# Altium PCB Sensors_Power_Characterisation_Board.PcbDoc (part 2 of 2)
Units mm, origin at the board's own origin, x right, y up, seen from the top; angles counter-clockwise.
Board outline 50 x 50 mm, 4 copper layers (Top Layer, Int1 (GND), Int2 (PWR), Bottom Layer), stack 1.334 mm thick; 147 components, 78 nets, 489 pads, 332 vias.
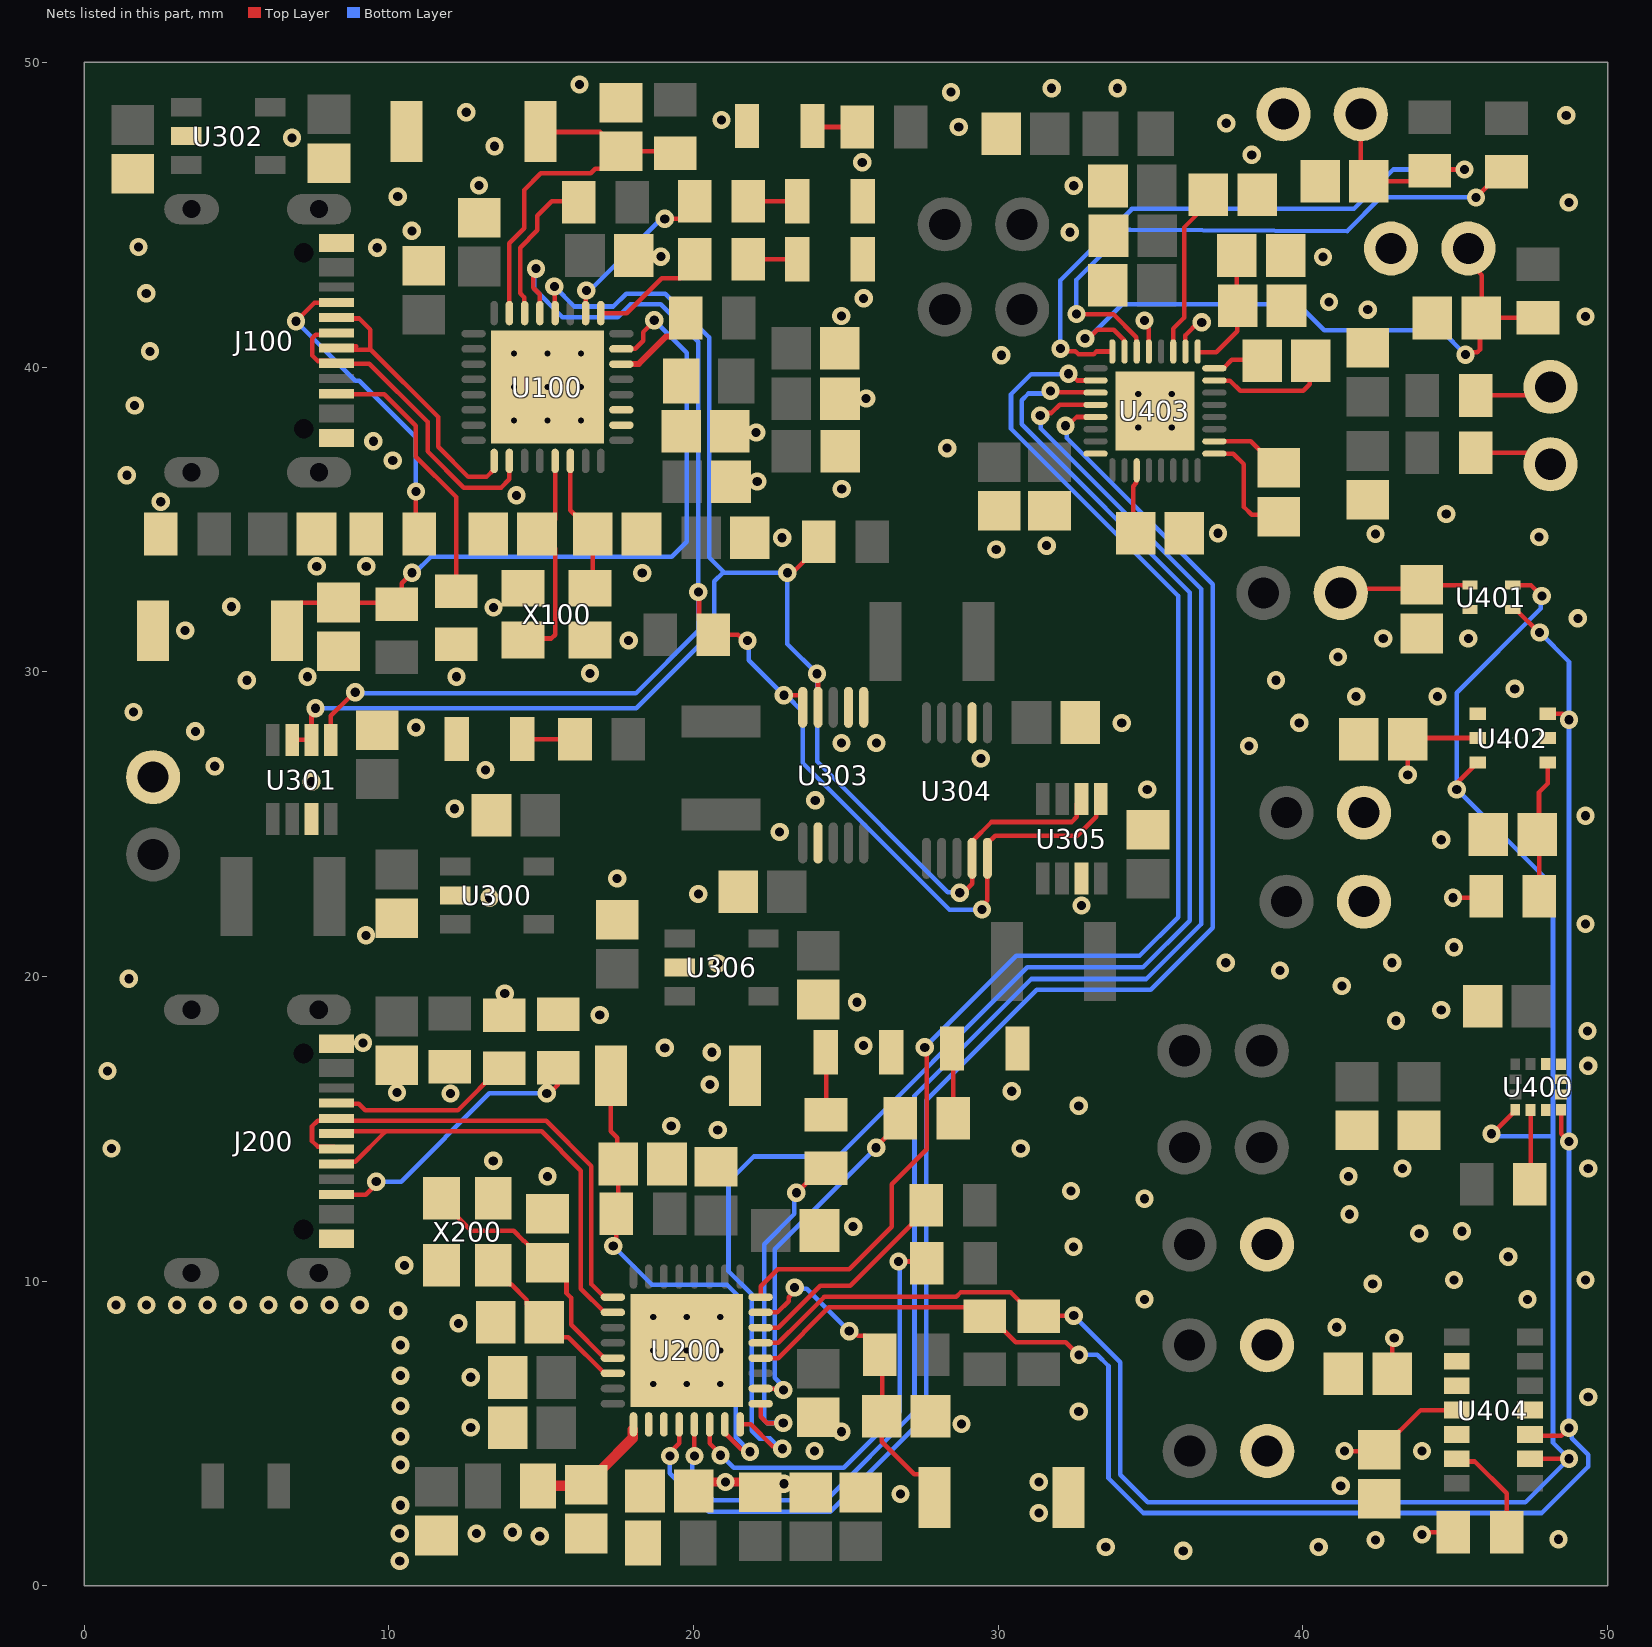
[diagram p4: the nets of this part, all layers, seen from the top]

## Via types
v1: diameter 0.6, hole 0.3, Top Layer to Bottom Layer, tented both sides, 310 vias
v2: diameter 0.5, hole 0.2, Top Layer to Bottom Layer, tented both sides, 22 vias

## Nets (pads, with @x,y where several pads share a name; then routed paths per layer and width w, separated by ;. In a path a pad name is that pad's centre, name@x,y a point inside that pad or via, vN(x,y) a via of type N, cw(c..) or ccw(c..) an arc to the next point about the centre after c; other vN are vias at no path point) (continued)
ECG_CS: U200.16 U403.18 | length 44.6
  Top Layer w0.15: U200.16@22.199,9.47 22.199,9.823 22.764,10.387 25.108,10.387 26.505,11.784 26.505,13.181 27.648,14.324 27.648,17.606 v1(27.584,17.67) ; v1(32.3,39.781) 32.373,39.781 32.596,39.558 U403.18@33.217,39.558
  Bottom Layer w0.15: v1(27.584,17.67) 30.589,20.674 34.633,20.674 35.903,21.944 35.903,32.485 30.415,37.973 30.415,39.103 31.074,39.762 32.281,39.762 v1(32.3,39.781)
ECG_DIN: U200.8 U403.19 | length 52.1
  Top Layer w0.15: U200.8@21.524,5.295 21.87,5.295 22.587,4.578 22.826,4.578 v1(22.912,4.492) ; v1(31.712,39.216) 31.761,39.168 33.208,39.168 U403.19@33.217,39.158
  Bottom Layer w0.15: v1(22.912,4.492) 22.849,4.492 22.509,4.832 22.156,4.832 21.902,5.085 21.902,9.565 21.144,10.323 21.144,13.262 21.97,14.087 24.744,14.087 30.95,20.293 34.747,20.293 36.284,21.83 36.284,32.599 30.765,38.118 30.765,38.904 30.991,39.13 31.15,39.13 31.626,39.13 v1(31.712,39.216)
ECG_DOUT: U200.4 U403.21 | length 53.7
  Top Layer w0.15: v1(19.22,4.253) 19.22,4.367 19.524,4.67 U200.4@19.524,5.295 ; v1(32.202,38.072) 32.281,38.072 32.567,38.358 U403.21@33.217,38.358
  Bottom Layer w0.15: v1(19.22,4.253) 19.22,3.693 20.493,2.421 24.482,2.421 27.637,5.576 27.637,15.935 31.264,19.562 35.006,19.562 37.041,21.597 37.041,32.872 32.243,37.67 32.243,38.031 v1(32.202,38.072)
ECG_SCLK: U200.5 U403.20 | length 53.6
  Top Layer w0.15: U200.5@20.024,5.295 20.025,5.294 v1(20.026,4.256) v1(20.026,4.256) ; v1(31.375,38.404) 31.461,38.49 31.742,38.49 32.011,38.758 U403.20@33.217,38.758
  Bottom Layer w0.15: v1(20.026,4.256) 19.951,4.181 19.951,3.5 20.65,2.8 24.347,2.8 27.249,5.703 27.249,16.084 31.077,19.912 34.861,19.912 36.665,21.716 36.665,32.713 31.396,37.982 31.396,38.382 v1(31.375,38.404)
GND: C100.2 C101.1 C102.2 C103.1 C104.1 C105.1 C106.2 C107.1 C108.1 C109.1 C110.2 C111.1 C112.1 C113.2 C200.2 C201.1 C202.2 C203.1 C204.1 C205.1 C206.1 C207.1 C208.1 C209.1 C210.2 C211.1 C212.1 C213.1 C214.2 C215.2 C300.2 C301.1 C302.1 C303.1 C304.1 C305.1 C306.2 C307.2 C308.1 C309.1 C400.1 C401.1 C402.1 C403.1 C404.1 C405.1 C406.1 C407.1 C408.2 C409.1 C410.1 C411.2 C412.1 C413.1 C414.1 C416.1 C419.1 C420.1 C421.1 C422.1 C423.1 C424.1 J100.A1_B12 J100.A12_B1 J200.A1_B12 J200.A12_B1 J300.2 J411.1 J412.1 LED100.1 LED101.1 LED200.1 LED201.1 LED301.1 LED303.1 R104.2 R105.2 R109.1 R204.2 R205.2 R210.1 SW100.2 SW101.2 SW200.2 SW201.2 U100.33 U200.33 U300.2 U301.3 U302.2 U303.1 U303.2 U303.7 U304.7 U305.3 U306.2 U400.3 U400.5 U400.6 U400.7 U400.8 U401.4 U402.2 U402.4 U402.7 U403.10 U403.13 U403.24 U403.33 U404.4 U404.12 X100.2 X100.4 X200.2 X200.4 | length 5
  Top Layer w0.15: C204.1@11.603,1.646 C204.1@11.669,1.712 ; C209.1@13.884,5.191 C209.1@13.894,5.18 ; C211.1@13.884,6.842 C211.1@13.894,6.831 ; C203.1@16.353,1.658 C203.1@16.401,1.705 ; U303.7@24.082,24.38 U303.7@24.1,24.398 ; v1(34.797,41.53) 34.797,41.408 34.942,41.263 U403.13@34.942,40.483 ; U403.10@36.142,40.483 36.142,41.047 36.562,41.466 v1(36.677,41.466)
  Top Layer w0.3: C215.2@20.15,2.972 20.15,3.118 20.434,3.402 v1(21.044,3.402) 21.845,3.402 C210.2@22.181,3.066
  other v1: 10.352,0.81 36.068,1.143 33.528,1.27 40.513,1.27 42.38,1.497 48.387,1.524 14.948,1.624 10.352,1.71 12.874,1.712 14.059,1.751 31.331,2.386 10.376,2.64 26.793,3.009 41.237,3.275 22.961,3.345 31.331,3.402 10.38,3.966 23.965,4.418 43.904,4.418 10.376,4.894 24.854,5.053 12.684,5.191 28.791,5.307 32.639,5.715 10.376,5.894 49.365,6.196 12.684,6.842 10.376,6.894 10.376,7.894 41.11,8.482 12.281,8.609 10.301,9.022 1.044,9.214 2.044,9.214 3.044,9.214 4.044,9.214 5.044,9.214 6.044,9.214 7.044,9.214 8.044,9.214 9.044,9.214 34.798,9.398 47.371,9.398 42.291,9.906 44.958,10.033 49.276,10.033 10.503,10.514 46.736,10.795 32.464,11.121 43.815,11.557 45.218,11.634 25.235,11.784 41.529,12.192 34.798,12.7 32.385,12.954 15.202,13.435 41.491,13.435 43.269,13.689 49.365,13.689 13.424,13.943 0.889,14.351 30.734,14.351 20.79,14.959 19.266,15.086 32.639,15.748 12.016,16.157 10.263,16.187 30.442,16.229 20.532,16.452 0.762,16.891 49.361,17.061 20.598,17.508 19.05,17.653 25.577,17.725 9.145,17.816 49.336,18.204 43.053,18.542 16.916,18.732 44.539,18.896 25.362,19.15 13.799,19.435 41.275,19.685 1.463,19.921 39.243,20.193 20.79,20.42 37.465,20.447 42.926,20.447 44.958,20.955 9.245,21.345 49.276,21.717 32.728,22.325 13.297,22.579 20.155,22.706 17.488,23.214 44.539,24.484 22.822,24.738 49.276,25.273 12.154,25.5 23.991,25.776 34.887,26.135 7.455,26.389 13.17,26.77 4.28,26.897 29.426,27.151 38.227,27.559 24.854,27.659 25.997,27.659 3.645,28.04 10.884,28.167 34.049,28.319 39.878,28.321 1.613,28.675 41.745,29.183 44.412,29.183 46.952,29.437 5.334,29.718 39.116,29.718 7.329,29.831 12.216,29.831 16.599,29.945 41.148,30.48 17.867,31.027 42.634,31.088 45.428,31.088 3.309,31.349 49.022,31.75 13.428,32.109 4.826,32.131 18.314,33.239 7.627,33.456 9.254,33.456 29.934,34.009 31.585,34.136 22.905,34.397 47.752,34.417 42.38,34.517 37.211,34.544 44.704,35.179 2.509,35.578 14.186,35.787 24.861,35.996 22.087,36.243 1.397,36.449 10.122,36.93 28.321,37.338 9.487,37.565 22.051,37.852 1.651,38.735 25.661,38.969 30.099,40.386 2.159,40.513 49.276,41.656 24.847,41.674 42.126,41.883 40.856,42.137 25.578,42.253 2.032,42.418 40.66,43.613 18.924,43.623 9.614,43.915 1.778,43.942 32.347,44.423 10.75,44.468 48.726,45.4 10.287,45.593 32.474,45.947 12.958,45.96 25.532,46.718 38.316,46.963 13.462,47.244 6.817,47.522 28.702,47.879 37.48,47.999 20.917,48.106 48.641,48.26 12.535,48.36 28.448,49.022 31.75,49.149 33.909,49.149 16.256,49.276
  other v2: 18.674,6.62 19.774,6.62 20.874,6.62 18.674,7.72 19.774,7.72 20.874,7.72 18.674,8.82 19.774,8.82 20.874,8.82 34.592,38.008 35.692,38.008 14.102,38.243 15.202,38.243 16.302,38.243 34.592,39.108 35.692,39.108 14.102,39.343 15.202,39.343 16.302,39.343 14.102,40.443 15.202,40.443 16.302,40.443
HT_3.3V: C402.2 J404.1 U401.3 | length 4.4
  Top Layer w0.15: J404.1@41.24,32.584 41.377,32.721 43.765,32.721 C402.2@43.897,32.853 43.908,32.842 U401.3@45.485,32.842
I2C_SCL: R203.2 U200.13 U400.1 U401.2 U402.6 U404.2 | length 70.6
  Top Layer w0.15: U200.13@22.199,7.97 22.776,7.97 23.523,8.718 24.247,9.442 24.29,9.484 28.62,9.484 28.76,9.624 30.406,9.624 31.181,8.849 R203.2@31.331,8.849 31.345,8.863 v1(32.474,8.863) ; v1(45.047,26.135) 45.047,26.334 U402.6@45.735,27.022 ; v1(46.19,14.832) 46.212,14.832 46.982,15.602 U400.1@46.982,15.627 ; U401.2@46.885,32.842 47.484,32.842 v1(47.841,32.485) ; U404.2@47.447,4.164 v1(48.73,4.164)
  Bottom Layer w0.15: v1(32.474,8.863) 33.998,7.339 33.998,3.643 34.905,2.736 47.302,2.736 v1(48.73,4.164) 48.205,4.689 48.205,14.732 ; v1(46.19,14.832) 46.265,14.757 48.18,14.757 48.205,14.732 ; v1(47.841,32.485) 47.81,32.454 47.81,32.074 45.047,29.312 v1(45.047,26.135) 48.205,22.977 48.205,14.732
I2C_SCL_POWER: R100.2 U100.13 U301.5 U303.5 U304.5 U305.5 | length 56.1
  Top Layer w0.15: U301.5@8.092,27.76 8.092,28.55 8.725,29.183 8.764,29.183 8.893,29.312 v1(8.893,29.323) ; v1(14.827,43.228) 14.741,43.142 14.741,42.604 14.952,42.393 U100.13@14.952,41.768 ; v1(20.155,32.612) 20.174,32.593 20.174,31.69 20.412,31.453 20.428,31.469 20.682,31.215 21.456,31.215 21.652,31.019 v1(21.769,31.019) ; v1(22.961,29.226) 23.512,29.226 23.582,29.156 U303.5@23.582,28.275 ; v1(29.466,22.192) 29.466,22.313 29.641,22.488 29.641,24.358 29.898,24.615 32.597,24.615 33.214,25.232 33.214,25.665 U305.5@33.364,25.815
  Bottom Layer w0.15: v1(8.893,29.323) 8.922,29.293 18.106,29.293 20.155,31.342 v1(20.155,32.612) 20.155,40.828 18.924,42.059 17.927,42.059 17.504,41.636 15.694,41.636 14.766,42.564 14.766,43.166 v1(14.827,43.228) ; v1(21.769,31.019) 21.814,30.974 21.814,30.373 v1(22.961,29.226) 23.034,29.226 23.584,28.675 23.584,27.004 28.397,22.192 v1(29.466,22.192)
I2C_SDA: R202.2 U200.12 U400.4 U401.1 U402.3 U404.3 | length 66
  Top Layer w0.15: U200.12@22.199,7.47 22.771,7.47 24.435,9.134 29.268,9.134 R202.2@29.553,8.849 29.703,8.849 30.569,7.984 32.211,7.984 32.601,7.593 32.628,7.593 v1(32.645,7.577) ; U401.1@46.885,32.043 46.985,32.043 47.739,31.289 v1(47.767,31.289) ; U404.3@47.447,4.964 47.485,4.926 48.476,4.926 v1(48.73,5.18) ; U402.3@48.035,28.622 48.529,28.622 v1(48.73,28.421) ; U400.4@48.482,15.627 48.482,14.826 v1(48.73,14.578)
  Bottom Layer w0.15: v1(32.645,7.577) 33.252,7.577 33.617,7.212 33.617,3.529 34.76,2.386 47.841,2.386 49.365,3.91 49.365,4.291 48.816,4.84 48.816,5.094 v1(48.73,5.18) v1(48.73,14.578) v1(48.73,28.421) 48.73,30.326 v1(47.767,31.289)
I2C_SDA_POWER: R101.2 U100.12 U301.6 U301.7 U303.4 U304.4 U305.6 | length 57.2
  Top Layer w0.15: U301.7@6.822,27.76 U301.6@7.457,27.76 7.457,28.666 v1(7.589,28.798) ; v1(15.427,42.645) 15.44,42.633 15.44,41.781 U100.12@15.452,41.768 ; v1@23.327,33.334 24.106,34.113 R101.2@24.106,34.263 ; v1(24.052,29.933) 24.082,29.903 U303.4@24.082,28.83 U303.4@24.082,28.275 ; v1(28.735,22.746) 28.843,22.746 29.141,23.043 U304.4@29.141,23.874 29.141,24.429 29.777,25.065 32.412,25.065 32.579,25.232 32.579,25.665 U305.6@32.729,25.815
  Bottom Layer w0.15: v1(7.589,28.798) 18.118,28.798 20.68,31.359 20.68,32.964 20.964,33.248 ; v1(15.427,42.645) 16.086,41.986 17.359,41.986 17.782,42.409 19.069,42.409 20.505,40.973 20.505,33.755 20.964,33.296 20.964,33.248 ; v1(28.735,22.746) 28.717,22.763 28.34,22.763 24.052,27.051 v1(24.052,29.933) 23.076,30.909 v1(23.076,33.248) 20.964,33.248
MCU_ANT: C203.2 L200.2 U200.1 | length 4.1
  Top Layer w0.35: L200.2@14.894,3.275 C203.2@16.484,3.275 ; C203.2@16.472,3.313 16.522,3.313 16.947,3.738 16.947,3.788 18.005,4.846 U200.1@18.005,5.12
NetC108_2: C108.2 U100.29 X100.3 | length 7.2
  Top Layer w0.15: X100.3@14.399,31.039 14.899,31.039 14.948,31.088 15.329,31.088 15.456,31.215 15.456,34.047 14.986,34.517 15.452,34.983 U100.29@15.452,36.918
NetC109_2: C109.2 U100.30 X100.1 | length 4.5
  Top Layer w0.15: U100.30@15.952,36.918 15.952,35.303 16.688,34.567 C109.2@16.688,34.517 16.688,32.828 X100.1@16.599,32.739
NetC113_1: C113.1 L100.2 U100.2 U100.3
NetC205_2: C205.2 U200.30 X200.3 | length 5.5
  Top Layer w0.15: X200.3@13.424,10.514 13.424,10.414 13.949,9.889 14.013,9.889 14.527,9.375 14.527,9.225 C205.2@15.102,8.65 15.597,8.155 15.889,8.155 17.074,6.97 U200.30@17.349,6.97
NetC206_2: C206.2 U200.29 X200.1 | length 8.6
  Top Layer w0.15: X200.1@11.724,12.714 11.724,12.614 12.694,11.645 14.093,11.645 14.409,11.328 14.427,11.328 15.152,10.603 15.252,10.603 15.827,10.028 15.827,9.593 15.977,9.443 15.977,8.567 17.074,7.47 U200.29@17.349,7.47
NetC215_1: C215.1 L201.2 U200.2 U200.3
NetC404_2: C404.2 R401.2 U402.1 | length 4.6
  Top Layer w0.15: R401.2@47.76,22.626 47.76,24.583 C404.2@47.685,24.658 47.746,24.72 47.746,26.041 48.035,26.329 U402.1@48.035,27.022
NetC407_2: C407.2 C410.2 U403.9 | length 4.1
  Top Layer w0.15: U403.9@36.542,40.483 37.158,40.483 37.848,41.173 37.848,41.999 C410.2@37.859,42.01 37.831,42.038 C407.2@37.831,43.661
NetC415_1: C415.1 U403.2 | length 2.5
  Top Layer w0.15: U403.2@37.067,37.558 38.289,37.558 39.156,36.691 C415.1@39.206,36.691
NetC415_2: C415.2 U403.1 | length 3.8
  Top Layer w0.15: U403.1@37.067,37.158 37.707,37.158 38.062,36.803 38.062,35.406 38.316,35.152 39.145,35.152 C415.2@39.206,35.091
NetC417_1: C417.1 U403.8 | length 1.7
  Top Layer w0.15: U403.8@37.067,39.958 37.392,39.958 37.666,40.232 38.637,40.232 C417.1@38.66,40.209
NetC417_2: C417.2 U403.7 | length 4.2
  Top Layer w0.15: U403.7@37.067,39.558 37.077,39.549 37.603,39.549 37.935,39.216 40.006,39.216 40.221,39.431 40.221,40.17 C417.2@40.26,40.209
NetC419_2: C419.2 J411.2 R405.1 U403.16 | length 24.4
  Top Layer w0.15: v1(32.04,40.604) 32.127,40.518 32.528,40.518 32.632,40.414 33.128,40.414 33.223,40.509 33.719,40.509 33.719,40.506 U403.16@33.742,40.483 ; J411.2@41.898,48.298 41.898,46.367 C419.2@42.164,46.101 43.814,46.101 R405.1@44.159,46.446 44.195,46.482 v1(45.301,46.482)
  Bottom Layer w0.15: v1(45.301,46.482) 42.966,46.482 41.674,45.19 34.384,45.19 34.34,45.147 32.04,42.846 v1@32.04,40.605 ; v1@32.04,40.605 v1(32.04,40.604)
NetC420_2: C420.2 J412.2 R406.1 U403.15 | length 21.5
  Top Layer w0.15: v1(32.849,40.939) 32.971,40.939 33.251,41.218 33.792,41.218 34.133,40.877 34.133,40.493 U403.15@34.142,40.483 ; v1(45.333,40.407) 45.412,40.486 45.721,40.486 45.809,40.574 45.809,41.567 C420.2@45.848,41.606 C420.2@45.862,41.62 ; J412.2@45.429,43.892 45.429,43.452 45.862,43.019 C420.2@45.862,41.62 ; R406.1@47.715,41.62 C420.2@45.862,41.62
  Bottom Layer w0.15: v1(32.849,40.939) 32.953,40.939 34.069,42.055 39.848,42.055 40.697,41.206 44.533,41.206 v1(45.333,40.407)
NetC421_2: C421.2 U403.11 | length 5.4
  Top Layer w0.15: U403.11@35.742,40.483 35.742,41.262 36.096,41.616 36.096,44.58 36.882,45.366 C421.2@36.882,45.416
NetC422_2: C422.2 U403.27 | length 2.1
  Top Layer w0.15: C422.2@33.96,34.832 34.085,34.832 34.423,35.169 34.423,36.085 34.533,36.195 34.533,36.624 U403.27@34.542,36.633
NetJ100_A5: J100.A5 R105.1 | length 10.3
  Top Layer w0.15: v1(6.947,41.502) 7.555,42.11 J100.A5@8.306,42.11 ; v1(10.884,35.914) 10.884,34.63 R105.1@10.997,34.517
  Bottom Layer w0.15: v1(6.947,41.502) 8.895,39.554 9.022,39.554 10.884,37.692 v1(10.884,35.914)
NetJ100_B5: J100.B5 R104.1 | length 9.3
  Top Layer w0.15: J100.B5@7.983,39.11 9.847,39.11 10.884,38.073 10.884,37.057 12.209,35.732 R104.1@12.209,32.642
NetJ200_A5: J200.A5 R205.1 | length 6.2
  Top Layer w0.15: J200.A5@8.274,15.839 8.298,15.814 9.012,15.814 9.217,15.61 12.264,15.61 13.635,16.98 R205.1@13.785,16.98
NetJ200_B5: J200.B5 R204.1 | length 8.9
  Top Layer w0.15: J200.B5@8.278,12.834 9.243,12.834 9.583,13.174 v1(9.583,13.262) ; v1(15.177,16.159) 15.268,16.159 15.532,16.423 R204.1@15.532,16.497
  Bottom Layer w0.15: v1(9.583,13.262) 10.398,13.262 13.295,16.159 v1(15.177,16.159)
NetJ407_1: J407.1 R402.2 | length 2.7
  Top Layer w0.15: R402.2@45.671,37.187 47.398,37.187 47.782,36.803 J407.1@48.222,36.803
NetJ407_2: J407.2 R403.2 | length 2.7
  Top Layer w0.15: R403.2@45.669,39.066 47.564,39.066 47.841,39.343 J407.2@48.222,39.343
NetLED100_2: LED100.2 R106.1 | length 1.6
  Top Layer w0.15: R106.1@21.792,43.534 LED100.2@23.398,43.534
NetLED101_2: LED101.2 R110.1 | length 1.7
  Top Layer w0.15: R110.1@21.738,45.493 R110.1@21.792,45.439 LED101.2@23.398,45.439
NetLED200_2: LED200.2 R206.1 | length 2.1
  Top Layer w0.15: LED200.2@24.338,17.509 24.346,17.501 R206.1@24.346,15.453
NetLED201_2: LED201.2 R209.1 | length 2.3
  Top Layer w0.15: LED201.2@28.478,17.626 28.523,17.581 R209.1@28.523,15.34
NetLED301_2: LED301.2 R302.1 | length 1.7
  Top Layer w0.15: LED301.2@14.372,27.786 R302.1@16.105,27.786
NetLED303_2: LED303.2 R304.1 | length 1.5
  Top Layer w0.15: LED303.2@23.9,47.911 23.932,47.879 R304.1@25.376,47.879 ; LED303.2@23.93,48.129 LED303.2@23.951,48.108
NetR102_2: R102.2 U100.6 | length 2.7
  Top Layer w0.2: U100.6@17.627,40.093 17.637,40.103 18.204,40.103 19.108,41.006 19.286,41.006 19.488,41.208 R102.2@19.488,41.632
NetR103_2: R103.2 U100.14 | length 5.1
  Top Layer w0.15: U100.14@14.452,41.768 14.433,41.787 14.433,42.291 14.302,42.422 14.302,43.917 14.868,44.483 14.868,44.964 15.343,45.439 16.201,45.439 R103.2@16.234,45.406
NetR200_2: R200.2 U200.6 | length 13.9
  Top Layer w0.15: U200.6@20.524,5.295 20.524,4.668 20.881,4.311 v1(20.881,4.283) ; v1(26.724,10.641) 27.587,10.641 R200.2@27.65,10.578
  Bottom Layer w0.15: v1(20.881,4.283) 20.904,4.283 21.317,3.87 24.922,3.87 26.759,5.708 26.759,10.606 v1(26.724,10.641)
NetR201_2: R201.2 U200.14 | length 7.2
  Top Layer w0.15: U200.14@22.199,8.47 22.781,8.47 24.151,9.84 25.143,9.84 27.636,12.333 R201.2@27.636,12.483
NetR400_1: R400.1 U400.2 | length 2.5
  Top Layer w0.15: U400.2@47.482,15.627 47.482,13.272 R400.1@47.573,13.181
NetR404_1: R404.1 U404.13 | length 3.4
  Top Layer w0.15: U404.13@45.047,4.164 45.135,4.076 45.643,4.076 46.684,3.035 R404.1@46.684,1.751
NetR407_1: R407.1 U403.14 | length 19.5
  Top Layer w0.15: v1(32.565,41.739) 33.767,41.739 34.533,40.972 34.533,40.493 U403.14@34.542,40.483 ; v1(45.682,45.566) 45.686,45.566 46.53,46.41 R407.1@46.68,46.41
  Bottom Layer w0.15: v1(32.565,41.739) 32.565,42.863 34.208,44.506 34.333,44.506 41.446,44.455 42.557,45.566 v1(45.682,45.566)
POWER_ESP_BOOT: C111.2 R107.2 SW100.1 U100.15 | length 12.2
  Top Layer w0.15: U100.15@13.952,41.768 13.952,44.062 14.44,44.55 14.44,45.809 14.986,46.355 16.624,46.355 16.773,46.504 17.04,46.504 C111.2@17.615,47.079 ; SW100.1@15.427,47.713 16.932,47.713 17.565,47.079 C111.2@17.615,47.079 ; R107.2@19.393,47.018 19.332,47.079 C111.2@17.615,47.079
POWER_ESP_EN: C112.2 R108.2 SW101.1 U100.7 | length 25.3
  Top Layer w0.15: SW101.1@7.098,30.58 6.648,31.03 SW101.1@6.648,31.342 6.648,31.817 7.098,32.267 8.342,32.267 C112.2@8.344,32.269 10.197,32.269 R108.2@10.249,32.217 10.414,32.382 10.414,32.904 v1(10.757,33.247) ; C112.2@8.458,32.358 C112.2@8.466,32.35 ; U100.7@17.627,40.593 17.637,40.603 18.088,40.603 18.351,40.865 18.351,41.148 18.707,41.504 v1(18.707,41.534)
  Bottom Layer w0.15: v1(10.757,33.247) 10.852,33.247 11.378,33.773 19.284,33.773 19.774,34.263 19.774,40.467 v1(18.707,41.534)
POWER_LED1: R106.2 U100.9 | length 3.9
  Top Layer w0.15: U100.9@16.952,41.768 17.809,41.768 18.95,42.909 19.567,42.909 20.042,43.384 R106.2@20.042,43.534
POWER_LED2: R110.2 U100.10 | length 5.6
  Top Layer w0.15: U100.10@16.452,41.768 16.465,41.781 16.465,42.499 v1(16.477,42.511) ; v1(19.05,44.862) 19.567,44.862 20.042,45.337 R110.2@20.042,45.439
  Bottom Layer w0.15: v1(16.477,42.511) 16.588,42.511 18.939,44.862 v1(19.05,44.862)
POWER_USB_N: J100.A7 J100.B7 U100.25 | length 9.7
  Top Layer w0.15: J100.B7@8.306,41.61 8.325,41.592 9.018,41.592 9.381,41.229 9.381,40.608 ; 8.924,40.685 8.653,40.685 8.771,40.567 9.406,40.567 11.615,38.358 11.615,37.378 12.602,36.391 13.2,36.391 13.452,36.643 U100.25@13.452,36.918
POWER_USB_P: J100.A6 J100.B6 U100.26 | length 11
  Top Layer w0.15: J100.A6@8.306,41.11 8.256,41.061 7.594,41.061 7.477,40.943 7.477,40.378 7.658,40.196 8.22,40.196 8.306,40.11 9.355,40.11 11.265,38.2 11.265,37.233 12.457,36.041 13.678,36.041 13.952,36.315 U100.26@13.952,36.918
PPG_1.8V: C414.2 J408.1 R404.2 U404.11 | length 5.3
  Top Layer w0.15: v1(41.364,4.418) 42.469,4.418 C414.2@42.507,4.456 42.557,4.456 43.865,5.764 U404.11@45.047,5.764 ; v1(43.906,1.683) 43.975,1.751 R404.2@44.934,1.751
PPG_3.3_VIN: C416.2 J409.1 J410.1 U404.9 U404.10 | length 0.6
  Top Layer w0.15: C416.2@42.926,7.593 42.926,8.062 v1(42.995,8.131)
SENSOR_ESP_BOOT: C212.2 R207.2 SW200.1 U200.15 | length 10.9
  Top Layer w0.15: U200.15@22.199,8.97 22.75,8.97 23.117,9.337 23.117,9.472 23.314,9.669 v1(23.314,9.79) ; v1(25.108,8.355) 25.23,8.355 25.382,8.203 25.625,8.203 26.184,7.645 C212.2@26.184,5.57 ; C212.2@26.175,5.561 26.175,4.723 27.24,3.658 27.452,3.658 27.902,3.208 SW200.1@27.902,2.894
  Bottom Layer w0.15: v1(23.314,9.79) 23.355,9.749 23.715,9.749 v1(25.108,8.355)
SENSOR_ESP_EN: C213.2 R208.2 SW201.1 U200.7 | length 17.3
  Top Layer w0.15: SW201.1@17.279,16.737 17.279,14.914 17.488,14.705 17.488,13.874 C213.2@17.524,13.838 17.524,12.272 R208.2@17.459,12.207 17.459,11.247 v1(17.361,11.149) ; U200.7@21.024,5.295 21.057,5.263 21.057,4.988 21.563,4.481 21.763,4.481 v1(21.849,4.395)
  Bottom Layer w0.15: v1(17.361,11.149) 18.631,9.879 21.093,9.879 21.552,9.42 21.552,7.072 21.376,6.896 21.376,4.869 v1(21.849,4.395)
SENSOR_LED1: R206.2 U200.9 | length 11.1
  Top Layer w0.15: U200.9@22.199,5.97 22.199,5.549 22.417,5.331 22.934,5.331 v1(22.942,5.34) ; v1(23.371,12.896) 23.389,12.896 24.196,13.703 R206.2@24.346,13.703
  Bottom Layer w0.15: v1(22.942,5.34) 22.402,5.34 22.314,5.428 22.314,11.212 23.309,12.207 23.309,12.834 v1(23.371,12.896)
SENSOR_LED2: R209.2 U200.10 | length 11.6
  Top Layer w0.15: U200.10@22.199,6.47 22.966,6.47 23.005,6.431 22.999,6.425 v1(22.945,6.425) ; v1(25.99,14.373) 25.99,14.407 26.773,15.19 R209.2@26.773,15.34
  Bottom Layer w0.15: v1(22.945,6.425) 22.945,6.546 22.664,6.828 22.664,11.047 v1(25.99,14.373)
USB_SENSOR_N: J200.A7 J200.B7 U200.25 | length 16.1
  Top Layer w0.15: J200.A7@8.274,14.339 8.199,14.414 7.655,14.414 7.474,14.595 7.474,15.082 7.655,15.264 8.199,15.264 J200.B7@8.274,15.339 8.349,15.264 8.857,15.264 8.862,15.26 15.156,15.26 16.646,13.77 16.646,9.899 17.074,9.47 U200.25@17.349,9.47
USB_SENSOR_P: J200.A6 J200.B6 U200.26 | length 15.9
  Top Layer w0.15: J200.B6@8.274,13.839 8.349,13.914 8.892,13.914 9.868,14.89 9.868,14.91 ; J200.A6@8.274,14.839 8.345,14.91 9.868,14.91 ; U200.26@17.349,8.97 17.074,8.97 16.296,9.749 16.296,13.625 15.011,14.91 9.868,14.91
VOC_3.3V: C405.2 J400.1 J401.1 R401.1 U402.5 | length 4.6
  Top Layer w0.15: v1(43.439,26.613) 43.434,26.617 C405.2@43.434,27.786 43.47,27.822 U402.5@45.735,27.822 ; v1(44.92,22.579) 45.963,22.579 R401.1@46.01,22.626
pads on no net: ANT200.2 J100.16 J100.A8 J100.B8 J200.16 J200.A8 J200.B8 U100.1 U100.4 U100.5 U100.8 U100.16 U100.19 U100.20 U100.21 U100.22 U100.23 U100.24 U100.27 U100.28 U200.19 U200.20 U200.21 U200.22 U200.23 U200.24 U200.27 U200.28 U300.4 U301.8 U302.4 U303.3 U304.3 U305.8 U306.4 U400.11 U400.12 U403.5 U403.6 U403.17 U403.22 U403.25 U403.26 U403.30 U403.31 U403.32 U404.1 U404.5 U404.6 U404.7 U404.8 U404.14

## Polygon pours and split planes (outlines as drawn)
GND on Top Layer "GND_POUR" (solid, remove dead copper, pour order 60): 0.343,49.657 49.775,49.657 49.775,0.281 0.343,0.281
EARTH_SENSORS on Top Layer "SMCU_EARTH" (solid, pour order 38): 12.662,18.261 12.662,19.558 2.248,19.558 2.248,9.529 8.979,9.529 8.979,10.828 4.246,10.828 4.246,18.333
+3.3V_PMCU on Top Layer "PMCU_pin31_32" (solid, pour order 55): 17.084,37.028 17.083,36.93 20.282,36.93 20.282,35.466 20.886,35.07 20.886,33.699 19.603,33.699 19.603,35.07 18.631,36.041 16.322,36.041 16.322,37.033
+1.8V_Sensors on Top Layer "CS_1V8_Pour" (solid, pour order 10): 32.855,21.69 34.76,21.69 34.76,17.499 32.855,17.499
+3.3V_Sensors on Top Layer "CS_3V3_POUR" (solid, pour order 11): 28.918,32.231 28.918,29.818 32.093,29.818 32.093,32.231
PPG_3.3_VIN on Top Layer "PPG_VLED_POUR" (solid, pour order 14): 42.38,7.593 42.38,6.323 45.174,6.323 45.174,7.593
+5V on Top Layer "SMCU_USB_POWER_IN2" (solid, pour order 17): 8.195,17.277 5.983,17.277 5.983,15.984 7.526,15.984 7.516,15.994 7.516,16.672 8.193,16.672 8.2,16.679
+5V_PMCU on Top Layer "PMCU_USB_POWER_IN1" (solid, pour order 15): 8.279,38.772 8.279,38.161 6.058,38.161 6.058,39.724 7.582,39.724 7.58,39.722 7.58,38.772
+5V on Top Layer "CS_5V_NET" (solid, pour order 30): 7.582,21.436 8.598,21.436 8.598,22.706 8.852,22.96 10.884,22.96 10.884,25.373 9.233,25.373 8.725,24.865 8.725,24.357 8.217,23.849 7.582,23.849
+3.3V_SMCU on Top Layer "CS_SMCU_POUR" (solid, pour order 31): 19.605,25.754 22.187,25.754 22.187,23.976 19.605,23.976
+3.3V_REG on Top Layer "3V3REG_OUT" (solid, pour order 32): 14.289,26.008 14.289,24.561 17.565,24.561 19.139,26.135 19.139,27.919 22.265,27.919 23.203,29.691 26.798,29.691 26.798,32.265 22.822,32.265 21.466,29.818 17.361,29.818 17.361,27.151 16.218,26.008
+5V_CONN on Top Layer "PowerInConn" (solid, pour order 33): 0.978,25.246 5.423,25.246 5.423,20.801 16.472,20.801 18.302,20.801 17.739,19.761 3.795,19.761 3.795,21.309 0.978,21.309
+3.3V_PMCU on Top Layer "PMCU_REG_OUT" (solid, pour order 0): 7.336,47.648 7.336,48.222 6,48.24 6.018,48.823 7.336,48.858 7.336,49.657 9.769,49.682 9.786,47.648
+5V_PMCU on Top Layer "PMCU_USB_POWER_IN2" (solid, pour order 36): 8.27,43.556 6.058,43.556 6.058,42.263 7.601,42.263 7.591,42.273 7.591,42.95 8.268,42.95 8.275,42.958
+5V on Top Layer "SMCU_USB_POWER_IN1" (solid, pour order 29): 8.279,12.483 8.279,11.872 6.058,11.872 6.058,13.435 7.582,13.435 7.58,13.433 7.58,12.483
+5V_PMCU on Top Layer "PMCU_REG_IN" (solid, pour order 37): 0.851,47.322 2.243,47.322 2.506,47.059 2.499,46.46 3.105,46.46 3.706,46.46 3.706,48.532 3.706,48.873 2.416,48.873 2.299,48.64 0.851,48.642
+3.3V_SMCU on Top Layer "SMCU_pin31_32" (solid, pour order 40): 14.852,4.545 16.138,4.545 16.138,5.186 16.746,5.794 17.488,5.794 17.488,6.657 16.138,6.657 16.138,7.466 14.852,7.466
+3.3V_SMCU on Top Layer "SMCU_ind" (solid, pour order 39): 26.886,2.081 26.886,0.781 20.028,0.781 20.028,2.081
NetC215_1 on Top Layer "SMCU_pin2_3" (solid, pour order 45): 18.397,5.301 18.403,5.295 19.139,5.295 19.139,0.735 17.742,0.735 17.742,3.783 18.385,4.426
NetC113_1 on Top Layer "PMCU_pin2_3" (solid, pour order 46): 20.284,40.295 20.284,37.184 19.012,37.184 18.228,37.969 17.627,37.969 17.627,38.716 18.306,38.716 18.948,39.359 18.948,40.295
EARTH on Top Layer "PMCU_EARTH" (solid, pour order 48): 3.566,33.667 6.716,33.667 6.716,35.825 9.57,35.825 9.57,37.043 5.525,37.041 5.443,44.414 9.57,44.414 9.57,45.72 3.539,45.72 3.566,36.777
+3.3V_PMCU on Top Layer "PMCU_ind" (solid, pour order 49): 23.838,41.248 23.838,35.66 22.568,35.66 22.568,38.962 20.663,38.962 20.663,42.357 20.538,42.482 22.604,42.482
GND on Int1 (GND) "NONET_L01_P-001" (solid, pour order 42): 0.47,50.481 50.47,50.481 50.47,0.481 0.47,0.481
+1.8V_Sensors on Int2 (PWR) "NONET_L01_P-001" (solid, pour order 58): 34.633,21.436 32.855,21.436 32.855,0.481 37.3,0.481 37.3,5.688 34.758,5.688
+3.3V_Sensors on Int2 (PWR) "NONET_L01_P-001" (solid, pour order 57): 26.124,50.265 29.426,50.265 29.426,33.501 40.729,33.501 40.729,28.167 40.729,21.055 37.173,21.055 37.173,6.069 34.887,6.069 34.887,21.436 35.776,21.436 35.776,29.945 26.124,29.945
HT_3.3V on Int2 (PWR) "NONET_L01_P-001" (solid, pour order 56): 40.856,33.628 50.508,33.628 50.508,29.691 40.856,29.691
PPG_1.8V on Int2 (PWR) "NONET_L01_P-001" (solid, pour order 54): 37.554,5.561 50.381,5.561 50.381,0.608 37.554,0.608
PPG_3.3_VIN on Int2 (PWR) "NONET_L01_P-001" (solid, pour order 53): 37.554,12.038 50.381,12.038 50.381,5.815 37.554,5.815
ACC_3.3V on Int2 (PWR) "NONET_L01_P-001" (solid, pour order 52): 37.358,12.292 50.439,12.292 50.439,20.801 37.358,20.801
VOC_3.3V on Int2 (PWR) "NONET_L01_P-001" (solid, pour order 51): 50.381,29.564 40.856,29.564 40.856,20.928 50.381,20.928
ECG_3.3V on Int2 (PWR) "NONET_L01_P-001" (solid, pour order 50): 29.614,50.519 50.47,50.519 50.47,33.755 49.492,33.755 29.743,33.755
+5V on Int2 (PWR) "NONET_L01_P-001" (solid, pour order 19): 9.36,9.879 0.851,9.879 0.724,10.006 0.724,25.5 11.138,25.5 11.138,19.785 9.36,19.785
+3.3V_PMCU on Int2 (PWR) "+3.3V_PMCU_L03_P047" (solid, pour order 47): 0,50.001 25.97,50.001 25.97,29.616 35.597,29.616 35.597,21.69 19.393,21.69 19.393,29.481 11.265,29.481 11.265,25.754 5.643,25.754 5.643,29.481 0,29.481
+5V_PMCU on Int2 (PWR) "NONET_L01_P-001" (solid, pour order 35): 0.47,50.481 0.686,50.265 4.788,50.265 4.788,46.455 7.963,43.28 8.344,43.28 8.344,38.454 0.521,38.454
+3.3V_SMCU on Int2 (PWR) "+3.3V_SMCU_L03_P044" (solid, pour order 44): 0.47,21.481 19.393,21.481 19.386,24.871 22.441,24.866 22.441,21.481 32.601,21.481 32.601,0.481 0.47,0.481
GND on Bottom Layer "NONET_L01_P-001" (solid, pour order 41): 0,50 50,50 50,0 0,0

## Other copper
Top Layer:
  pour cut-out: 0.216,8.736 9.995,8.736 9.995,0.254 0.216,0.254
Int1 (GND):
  pour cut-out: 0.216,8.736 9.995,8.736 9.995,0.254 0.216,0.254
Int2 (PWR):
  pour cut-out: 0.216,8.763 10.033,8.763 10.033,0.254 0.216,0.254
Bottom Layer:
  pour cut-out: 0.216,8.736 9.995,8.736 9.995,0.254 0.216,0.254

## Silkscreen, mask and mechanical layers (free items; w line width, h text height)
Top Overlay:
  text "RST" at 2.953,28.032 h0.8
  text "+" at 1.486,21.082 h0.8
  text "RST" at 23.619,15.564 h0.8 r90
Bottom Overlay:
  text "FYP Dev Board Rev.1" at 24.3,47.564 h2
  text "P. Barakov" at 24.3,45.532 h2
  text "JLCJLCJLCJLC" at 41.363,2.365 h0.5
Mechanical 1:
  lines w0.05: 0,0 50.001,0 50.001,50.001 0,50.001 0,0
  lines w0.254: -2.794,1.778 -2.286,0.254 ; -2.794,48.73 -2.286,50.254 ; -2.54,0.254 -2.032,0.254 ; -2.54,50.254 -2.032,50.254 ; -2.286,20.15 -2.286,0.254 ; -2.286,30.358 -2.286,50.254 ; -1.778,1.778 -2.286,0.254 ; -1.778,48.73 -2.286,50.254 ; -0.005,-2.159 -0.005,-1.651 ; 1.519,-2.413 -0.005,-1.905 ; 1.519,-1.397 -0.005,-1.905 ; 19.891,-1.905 -0.005,-1.905 ; 30.099,-1.905 49.995,-1.905 ; 48.471,-2.413 49.995,-1.905 ; 48.471,-1.397 49.995,-1.905 ; 49.995,-2.159 49.995,-1.651
  text "50 (mm)" at -1.372,20.404 h1.52 r90
  text "50 (mm)" at 20.145,-2.819 h1.52